# Altium PCB PCB1.PcbDoc (part 2 of 2)
Units mm, origin at the board's own origin, x right, y up, seen from the top; angles counter-clockwise.
Board outline 105 x 80 mm, 4 copper layers (Top Layer, IN1, IN2, Bottom Layer), stack 1.52 mm thick; 193 components, 166 nets, 814 pads, 414 vias.
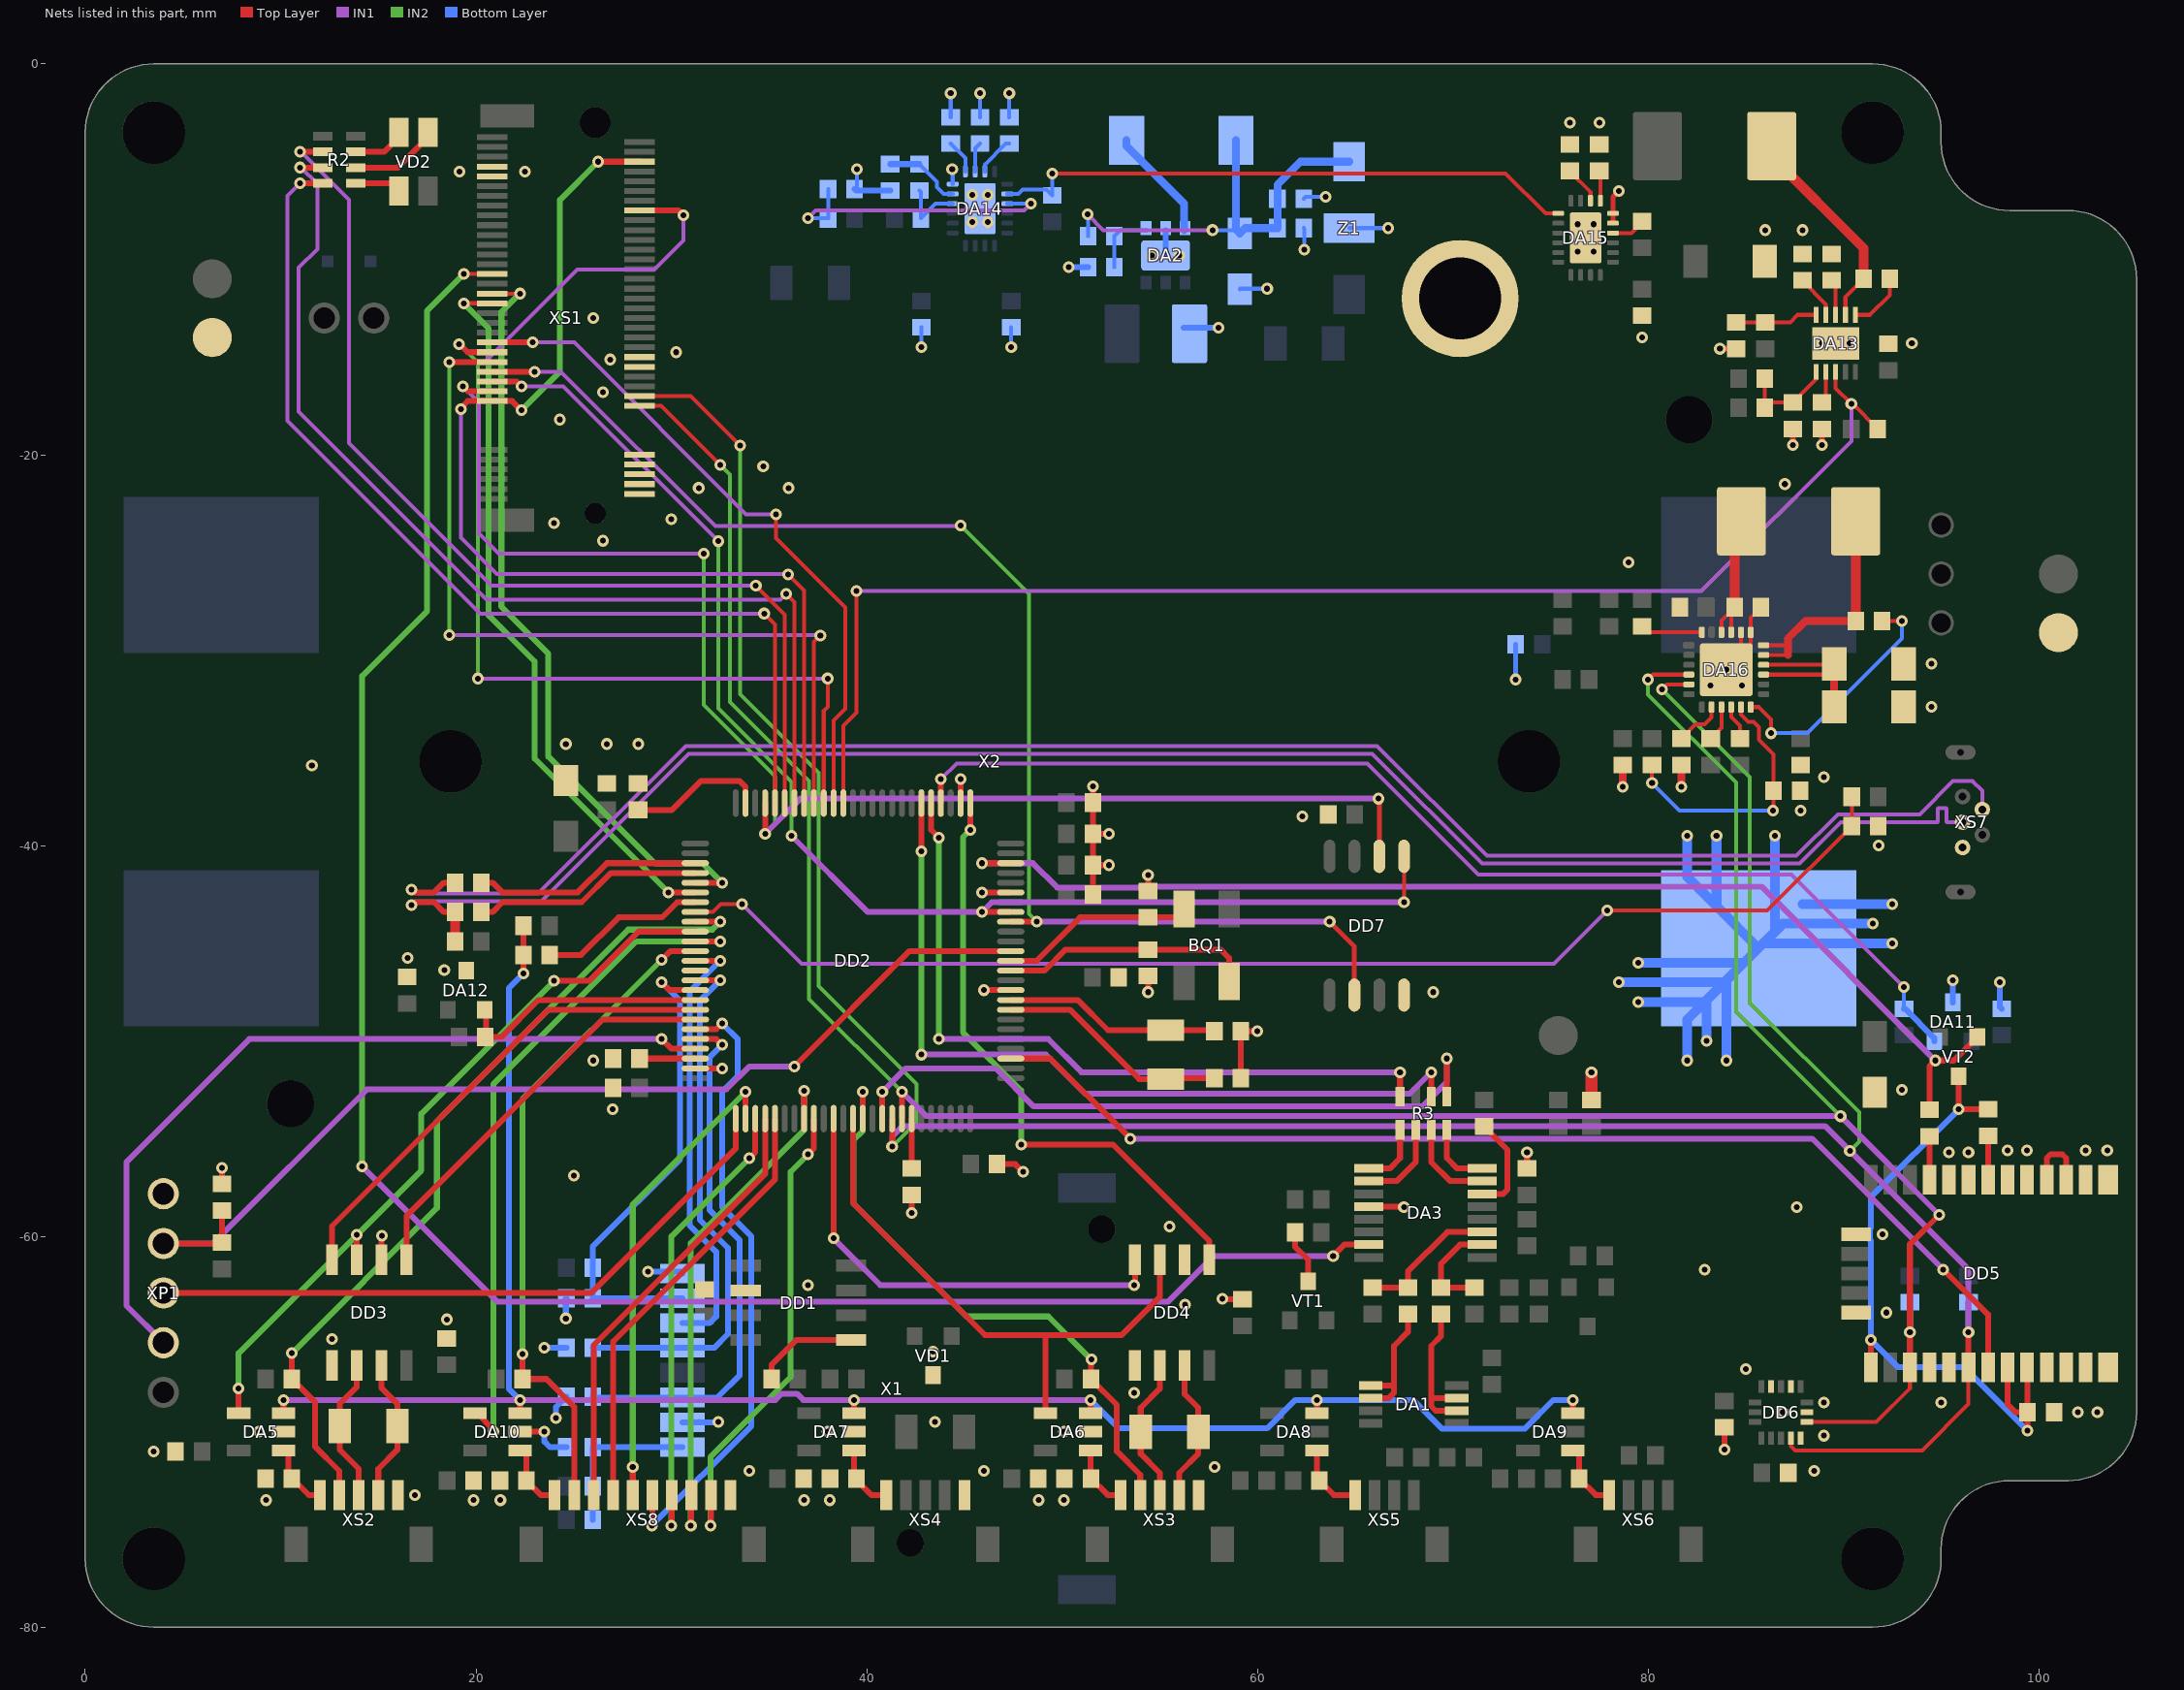
[diagram p4: the nets of this part, all layers, seen from the top]

## Via types
v1: diameter 0.6, hole 0.3, Top Layer to Bottom Layer, tented both sides, 402 vias
v2: diameter 0.6, hole 0.3, Top Layer to Bottom Layer, 12 vias

## Nets (pads, with @x,y where several pads share a name; then routed paths per layer and width w, separated by ;. In a path a pad name is that pad's centre, name@x,y a point inside that pad or via, vN(x,y) a via of type N, cw(c..) or ccw(c..) an arc to the next point about the centre after c; other vN are vias at no path point) (continued)
GND: C1.2 C2.2 C3.2 C4.2 C5.2 C6.2 C7.2 C8.2 C9.2 C10.2 C11.2 C12.2 C13.2 C14.2 C15.2 C16.2 C17.2 C18.2 C19.2 C20.2 C21.2 C22.2 C24.2 C26.2 C27.2 C29.2 C30.2 C31.2 C32.2 C33.2 C34.2 C35.2 C36.2 C40.2 C41.2 C43.2 C44.2 C45.2 C48.2 C49.2 C50.2 C52.1 C53.1 C54.2 C55.2 C56.1 C57.1 C58.1 C59.2 C64.2 C65.2 C66.1 C67.1 C68.2 C69.2 C70.2 C71.2 C72.2 DA2.2 DA3.4 DA5.2 DA6.2 DA7.2 DA10.2 DA11.3 DA12.3 DA13.11 DA14.16 DA14.21 DA15.15 DA15.16 DA15.21 DA16.19 DA16.20 DA16.25 DD1.2 DD2.10 DD2.20 DD2.27 DD2.74 DD3.2 DD3.5 DD4.2 DD4.5 DD5.4 DD5.5 DD5.10 DD5.11 DD5.12 DD5.13 DD5.14 DD5.15 DD5.18 DD5.19 DD5.21 DD5.22 DD5.27 DD5.31 DD6.5 DD6.7 DD6.10 DD6.12 DD7.4 FB2.2 pad.0@70.375,-12 R5.2 R13.1 R36.1 R40.2 R41.1 R42.2 R48.1 R50.1 R51.1 R55.1 R59.2 R61.1 R62.2 R64.1 VD1.3 X1.2 X1.8 X2.1 X6.1 X7.1 XP1.5 XS1.30 XS1.31 XS1.57 XS1.58 XS1.63 XS1.64 XS1.65 XS1.66 XS1.67 XS2.5 XS3.5 XS4.5 XS7.5 XS8.10 Z1.3 | length 134.5
  Top Layer w0.2: v1(84,-31) DA16.25@84.75,-30.25 ; DA16.20@84.75,-29.087 DA16.25@84.75,-30.25 ; C50.2@85.775,-27.8 85.25,-28.325 DA16.19@85.25,-29.087 85.25,-29.75 DA16.25@84.75,-30.25
  Top Layer w0.25: DA15.15@78.2,-8.15 DA15.16@78.2,-7.65 78.2,-6.8 v1(78.5,-6.5)
  Top Layer w0.3: C34.2@7,-57.32 v1(7,-56.5) ; DD3.2@15.17,-61.2 15.17,-59.98 v1(15.175,-59.975) ; DA10.2@22.25,-70 v1(23.5,-70) ; DD2.74@31.225,-51.4 v1(32.6,-51.4) ; v1(42.3,-58.8) R5.2@42.3,-57.875 ; DD2.27@44.8,-37.825 v1(44.8,-36.6) ; v1(45.9,-42.4) 46,-42.4 DD2.20@47.375,-42.4 ; v1(46,-47.4) 46.2,-47.4 DD2.10@47.375,-47.4 ; C7.2@46.675,-56.3 47.6,-56.3 v1(48,-56.7) ; C11.2@51.575,-42.5 C5.2@51.575,-41 ; v1(51.575,-36.975) C10.2@51.575,-37.8 C3.2@51.575,-39.4 ; v1(52.4,-41) C5.2@51.575,-41 ; v1(52.4,-39.4) C3.2@51.575,-39.4 ; v1(54.4,-47.5) C6.2@54.4,-46.675 ; C2.2@54.4,-42.325 v1(54.4,-41.5) ; v1(58.2,-63.2) 58.225,-63.225 C22.2@59.235,-63.225 ; C20.2@59.15,-51.9 C19.2@59.15,-49.5 v1(60,-49.5) ; DA3.4@65.7,-58.475 v1@67.5,-58.475 ; v1@67.4,-58.5 v1(67.5,-58.5) ; C29.2@73.8,-56.525 v1(73.8,-55.7) ; v1(83.675,-14.575) R55.1@84.5,-14.575 ; v1(83.9,-70.9) 83.9,-69.825 83.925,-69.8 C31.2@83.9,-69.775 ; v1(87.4,-19.5) R42.2@87.4,-18.675 ; v1(88.9,-19.5) C45.2@88.9,-18.675 ; C5.2@51.575,-41 C3.2@51.575,-39.4
  Top Layer w0.4: v1(78.7,-37) R51.1@78.7,-35.875 ; v1(81.7,-37) R48.1@81.7,-35.875
  Top Layer w0.6: FB2.2@77.1,-53.025 v1(77.1,-51.6)
  Bottom Layer w0.2: R61.1@39.375,-6.4 39.5,-6.275 v1(39.5,-5.375) ; v1(42.8,-14.5) C69.2@42.8,-13.475 ; R62.2@44.3,-2.725 v1(44.3,-1.5) ; v1(44.375,-5.375) 44.4,-5.4 DA14.16@44.4,-6.15 ; C70.2@45.8,-2.725 v1(45.8,-1.5) ; R64.1@47.3,-2.725 v1(47.3,-1.5) ; v1(47.4,-14.5) C72.2@47.4,-13.475 ; C26.2@59.1,-11.525 59.125,-11.5 v1(60.5,-11.5) ; C27.2@62.375,-8.4 62.4,-8.425 v1(62.4,-9.5) ; C40.2@62.375,-6.9 62.475,-6.8 v1(63.5,-6.8) ; Z1.3@64.7,-8.4 v1(66.7,-8.4)
  Bottom Layer w0.25: v2(73.225,-31.5) R50.1@73.225,-29.7
  Bottom Layer w0.3: v1(23.5,-70) 23.5,-70.5 23.785,-70.785 C18.2@24.625,-70.785 ; v1(23.5,-65.7) 24.62,-65.7 C15.2@24.625,-65.705 ; v1(24.1,-69.3) 24.1,-68.725 C17.2@24.625,-68.2 ; v1(24.6,-64.2) 24.6,-63.19 C14.2@24.625,-63.165 ; v1(28.8,-61.8) 30.47,-61.8 X1.8@30.565,-61.895 ; X1.2@30.565,-69.515 X1.2@31.385,-69.515 ; X1.2@31.4,-69.5 X1.2@31.385,-69.515 ; v1@32.385,-69.515 X1.2@31.385,-69.515 ; R61.1@39.375,-6.4 39.45,-6.475 R40.2@41.2,-6.475 ; v1(50.35,-10.4) R13.1@51.325,-10.4 ; DA2.2@55.3,-9.8 DA2.2@55.3,-8.5 ; C24.2@56.225,-13.5 v1(58,-13.5) ; DA11.3@95.6,-48.025 v1(95.6,-46.9) ; v1(98,-47) 98,-48.25 C35.2@98.1,-48.35
  Bottom Layer w0.5: v1(78.5,-47) X2.1@83.9,-47 ; v1(79.5,-48) X2.1@82.9,-48 ; v1(79.5,-46) X2.1@84.9,-46 ; v1(82,-51) 82,-48.9 X2.1@82.9,-48 ; v1(82,-39.5) 82,-41.6 X2.1@83.5,-43.1 ; v1(83,-50) X2.1@83,-47.9 ; v1(83.5,-39.5) X2.1@83.5,-43.1 ; v1(84,-51) X2.1@84,-46.9 ; v1(86.5,-39.5) X2.1@86.5,-44.4 ; X2.1@87.9,-43 v1(92.5,-43) ; v1(91.5,-44) 86.9,-44 X2.1@86.5,-44.4 ; v1(92.5,-45) X2.1@85.9,-45 ; X2.1@82.9,-48 X2.1@83,-47.9 ; X2.1@83,-47.9 X2.1@83.9,-47 ; X2.1@83.5,-43.1 X2.1@85.65,-45.25 ; X2.1@83.9,-47 X2.1@84,-46.9 ; X2.1@84,-46.9 X2.1@84.9,-46 ; X2.1@84.9,-46 X2.1@85.65,-45.25 ; X2.1@85.65,-45.25 X2.1@85.9,-45 ; X2.1@85.9,-45 X2.1@86.5,-44.4
  other v1: 9.25,-73.5 19.875,-73.5 21.25,-73.5 36.8,-73.5 38.1,-73.5 48.8,-73.5 50.1,-73.5 16.875,-73.25 34,-72 46,-72 88.5,-72 57.8,-71.8 3.5,-71 89,-70.2 8.875,-70 38,-70 50.1,-70 32.4,-69.5 43.5,-69.5 86.9,-69 102,-69 103,-69 89,-68.5 95,-68.5 53.7,-68 85,-66.8 43.4,-65.9 12.625,-65.25 18.5,-64.25 92.2,-63.9 56.3,-63.5 37,-62.5 82.9,-61.7 92,-59.9 55.5,-59.5 87.6,-58.5 25,-56.9 95.4,-55.7 96.4,-55.7 98.4,-55.6 99.4,-55.6 102.4,-55.6 103.5,-55.6 27,-53.5 93,-52.5 26,-51 18.375,-46.375 16.5,-45.75 91.8,-40 87.8,-38.2 89,-36.5 11.6,-35.9 24.6,-34.8 26.7,-34.8 28.3,-34.8 94.5,-32.9 83.2,-31.8 84.8,-31.8 94.5,-30.7 79,-25.5 26.5,-24.4 24,-23.5 30,-23.3 31.4,-21.7 36,-21.7 87,-21.5 34.7,-20.6 24.3,-18.2 26.5,-16.8 26.875,-15.125 30.25,-14.75 88.9,-14.3 90.3,-14.3 93.5,-14.3 79.7,-14 26,-13 54.6,-9.8 56,-9.8 76.4,-9.6 77.2,-9.6 86,-8.5 87.9,-8.5 76.4,-8.2 77.2,-8.2 45.4,-8.1 46.2,-8.1 45.4,-6.7 46.2,-6.7 19.15,-5.5 22.5,-5.5 76,-3 77.5,-3
  other v2: 69,-47.5 62.3,-38.5
GPS_EN: DD2.23 R37.2 VT2.1 | length 59.8
  Top Layer w0.3: v1(45.9,-40.9) DD2.23@47.375,-40.9 ; R37.2@94.4,-53.525 94.4,-51.3 v1(94.7,-51) 95.65,-51 VT2.1@96.85,-49.8
  IN1 w0.3: v1(45.9,-40.9) 48.5,-40.9 49.75,-42.15 54.669,-42.15 54.719,-42.1 85.8,-42.1 v1(94.7,-51)
GPS_INT: DD2.3 DD5.7 | length 58.2
  Top Layer w0.3: DD2.3@47.375,-50.9 49.4,-50.9 v1(53.5,-55) ; v1(95.1,-61.7) 97.4,-64 DD5.7@97.4,-66.7
  IN1 w0.3: v1(53.5,-55) 88.4,-55 v1(95.1,-61.7)
GPS_VCC: C32.1 DD5.1 DD5.8 DD5.9 R26.2 VT2.3 | length 34.6
  Top Layer w0.3: DD5.1@91.4,-66.7 v1(91.4,-65.3) ; VT2.3@95.9,-51.8 v1(95.9,-53.5) R26.2@97.4,-53.5 ; DD5.8@98.4,-66.7 98.4,-68.6 98.8,-69 C32.1@99.425,-69 ; DD5.9@99.4,-66.7 99.425,-66.725 C32.1@99.425,-69 ; v1(99.425,-69.95) C32.1@99.425,-69
  Bottom Layer w0.3: v1(95.9,-53.5) 91.4,-58 91.4,-59.581 91.35,-59.631 91.35,-60.169 91.4,-60.219 v1(91.4,-65.3) 92.8,-66.7 96.175,-66.7 v1(99.425,-69.95)
I2C1_SCL: DA16.5 DD2.92 DD5.6 DD6.4 R33.2 XS1.61 | length 155.1
  Top Layer w0.2: XS1.61@28.375,-17 31,-17 v1(33.525,-19.525) ; v1(80.7,-32) 80.95,-31.75 DA16.5@82.087,-31.75 ; DD6.4@87.3,-70.325 87.3,-70.724 87.526,-70.95 94.025,-70.95 96.4,-68.575 DD5.6@96.4,-66.7
  Top Layer w0.3: v1(41.3,-55.4) DD2.92@41.3,-53.975 ; DD5.6@96.4,-66.7 v1(96.4,-64.9)
  IN1 w0.3: v1(41.3,-55.4) 41.3,-54.9 41.85,-54.35 89.05,-54.35 96.4,-61.7 v1(96.4,-64.9)
  IN2 w0.2: v1(33.525,-19.525) 33.525,-32.25 37.55,-36.275 37.55,-47.2 42.55,-52.2 42.55,-54.15 v1(41.3,-55.4) ; v1(80.7,-32) 85.2,-36.5 85.2,-48.05 90.8,-53.65 90.8,-55.15 v1(90.325,-55.625)
  Bottom Layer w0.3: v1(96.4,-64.9) R33.2@96.4,-63.375
I2C1_SDA: DA16.4 DD2.93 DD5.3 DD6.6 R32.1 XS1.62 | length 144
  Top Layer w0.2: XS1.62@28.375,-17.5 29.475,-17.5 v1(32.5,-20.525) ; v1(80,-31.5) 80.25,-31.25 DA16.4@82.087,-31.25 ; DD6.6@88.125,-69.5 91.675,-69.5 93.4,-67.775 DD5.3@93.4,-66.7
  Top Layer w0.3: DD2.93@41.8,-53.975 v1(41.8,-52.6) ; DD5.3@93.4,-66.7 v1(93.4,-64.9) 93.4,-60.4 v1(94.9,-58.9)
  IN1 w0.3: v1(41.8,-52.6) 43.05,-53.85 v1(89.85,-53.85) v1(94.9,-58.9)
  IN2 w0.2: v1(32.5,-20.525) 33,-21.025 33,-32.65 37.05,-36.7 37.05,-47.85 v1(41.8,-52.6) ; v1(80,-31.5) 80,-32.275 84.5,-36.775 84.5,-48.5 v1(89.85,-53.85)
  Bottom Layer w0.3: v1(93.4,-64.9) R32.1@93.4,-63.375
KEY_FLT: DA5.3 DA6.3 DA7.3 DA8.3 DA9.3 DA10.3 R65.2 R66.1 | length 97.6
  Top Layer w0.3: DA5.3@10.15,-69.05 v1(10.15,-68.375) ; DA10.3@22.25,-69.05 v1(22.25,-68.375) ; R65.2@22.425,-45.6 R66.1@22.425,-44.1 ; v1(22.425,-46.55) R65.2@22.425,-45.6 ; DA7.3@39.35,-69.05 v1(39.35,-68.375) ; DA6.3@51.45,-69.05 v1(51.45,-68.376) ; DA8.3@63.05,-69.05 v1(63.05,-68.375) ; DA9.3@76.15,-69.05 v1@76.15,-68.375
  IN1 w0.3: v1(10.15,-68.375) v1(22.25,-68.375) 35.325,-68.375 35.65,-68.05 36.425,-68.05 36.75,-68.375 v1(39.35,-68.375) ; v1(39.35,-68.375) v1(51.45,-68.376)
  Bottom Layer w0.3: v1(22.25,-68.375) 21.675,-67.8 21.675,-47.3 v1(22.425,-46.55) ; v1(51.45,-68.376) 52.899,-69.825 60.5,-69.825 61.95,-68.375 v1(63.05,-68.375) 67.975,-68.375 69.45,-69.85 73.675,-69.85 75.15,-68.375 v1(76.15,-68.375)
LED_B: DD2.46 R2.8 | length 52
  Top Layer w0.2: v1(34.75,-28.125) 35.3,-28.675 DD2.46@35.3,-37.825
  Top Layer w0.3: v1(11,-6.1) R2.8@12.15,-6.1
  IN1 w0.2: v1(11,-6.1) 10.35,-6.75 10.35,-18.25 20.225,-28.125 v1(34.75,-28.125)
LED_G: DD2.45 R2.6 | length 52.7
  Top Layer w0.2: v1(34.325,-26.7) 35.8,-28.175 DD2.45@35.8,-37.825
  Top Layer w0.3: v1(11,-4.5) R2.6@12.15,-4.5
  IN1 w0.2: v1(11,-4.5) 11.049,-4.5 13.5,-6.951 13.5,-19.4 20.8,-26.7 v1(34.325,-26.7)
LED_R: DD2.44 R2.7 | length 54.4
  Top Layer w0.2: v1(35.875,-27.125) 36.3,-27.55 DD2.44@36.3,-37.825
  Top Layer w0.3: v1(11,-5.3) R2.7@12.15,-5.3
  IN1 w0.2: v1(11,-5.3) 11.049,-5.3 11.875,-6.126 11.875,-9.475 10.925,-10.425 10.925,-17.8 20.55,-27.425 35.575,-27.425 v1(35.875,-27.125)
LORA_BUSY: DD2.41 XS1.12 | length 43.7
  Top Layer w0.2: DD2.41@37.8,-37.825 37.8,-33.1 38,-32.9 v1(38,-31.45)
  Top Layer w0.3: v1(19.125,-14.35) 19.175,-14.35 19.575,-14.75 XS1.12@20.825,-14.75
  IN1 w0.2: v1(20.1,-31.45) v1(38,-31.45)
  IN2 w0.2: v1(19.125,-14.35) 19.175,-14.35 20.1,-15.275 v1@20.1,-31.4
LORA_CS: DD2.43 XS1.7 XS1.37 | length 56.1
  Top Layer w0.2: v1(35.975,-26.125) 36.8,-26.95 DD2.43@36.8,-37.825
  Top Layer w0.3: v1(19.225,-17.675) 19.225,-17.6 19.575,-17.25 XS1.7@20.825,-17.25 21.85,-17.25 v1(22.325,-17.725) ; v1(26.25,-5) XS1.37@28.375,-5
  IN1 w0.2: v1(19.225,-17.675) 19.225,-24.25 21.075,-26.1 35.95,-26.1 v1(35.975,-26.125)
  IN2 w0.3: v1(22.325,-17.725) 24.3,-15.75 24.3,-6.95 v1(26.25,-5)
LORA_DIO1: DD2.40 XS1.13 | length 34.7
  Top Layer w0.2: v1(35.35,-23.05) 35.35,-24.275 38.9,-27.825 38.9,-33 38.3,-33.6 DD2.40@38.3,-37.825
  Top Layer w0.3: XS1.13@20.825,-14.25 v1(22.9,-14.25)
  IN1 w0.2: v1(22.9,-14.25) 25.025,-14.25 33.825,-23.05 v1(35.35,-23.05)
LORA_NRST: DD2.42 XS1.11 XS1.42 | length 62.1
  Top Layer w0.2: DD2.42@37.3,-37.825 37.3,-29.575 v1(37.625,-29.25)
  Top Layer w0.3: v1(18.625,-15.25) XS1.11@20.825,-15.25 ; XS1.42@28.375,-7.5 30.375,-7.5 v1(30.625,-7.75)
  IN1 w0.2: v1(18.625,-29.225) 37.6,-29.225 v1(37.625,-29.25) ; v1(18.625,-15.25) 20.45,-15.25 25.175,-10.525 29.125,-10.525 30.625,-9.025 v1(30.625,-7.75)
  IN2 w0.2: v1(18.625,-29.225) v1(18.625,-15.25)
M2_A: DA3.7 XS1.20 | length 106.2
  Top Layer w0.2: v1(19.375,-10.75) XS1.20@20.825,-10.75
  Top Layer w0.3: v1(63.875,-61) 64.45,-60.425 DA3.7@65.7,-60.425
  IN1 w0.3: v1(14.175,-56.425) 21.1,-63.35 ; 22.375,-63.35 21.1,-63.35 ; v1(63.875,-61) 57.775,-61 55.425,-63.35 21.1,-63.35
  IN2 w0.3: v1(14.175,-56.425) 14.175,-31.325 17.5,-28 17.5,-12.625 v1(19.375,-10.75)
NetBQ2_1: BQ2.1 C19.1 DD2.9 | length 11.1
  Top Layer w0.3: DD2.9@47.375,-47.9 50.8,-47.9 52.35,-49.45 BQ2.1@55.3,-49.45 57.75,-49.45 C19.1@57.8,-49.5
NetBQ2_2: BQ2.2 C20.1 DD2.8 | length 11.9
  Top Layer w0.3: DD2.8@47.375,-48.4 50.4,-48.4 53.95,-51.95 BQ2.2@55.3,-51.95 55.35,-51.9 C20.1@57.8,-51.9
NetC13_1: C13.1 DD2.73 | length 2.9
  Top Layer w0.3: C13.1@28.375,-50.9 DD2.73@31.225,-50.9
NetC16_1: C16.1 DD2.49 | length 7.1
  Top Layer w0.3: C16.1@28.3,-38.175 30.025,-38.175 31.5,-36.7 33.5,-36.7 33.8,-37 DD2.49@33.8,-37.825
NetC26_1: C26.1 C27.1 C40.1 L1.1 R14.2 Z1.1 | length 22.4
  IN1 w0.2: v1(51.3,-7.7) 52.1,-8.5 v1(57.7,-8.5)
  Bottom Layer w0.2: v1(51.3,-7.7) 51.325,-7.725 R14.2@51.325,-8.8 ; v1(57.7,-8.5) 58.925,-8.5 C26.1@59.1,-8.675
  Bottom Layer w0.4: L1.1@58.9,-3.9 58.9,-8.475 C26.1@58.925,-8.5 ; C26.1@59.1,-8.675 59.375,-8.4 C27.1@61.025,-8.4 C40.1@61.025,-6.9 61.025,-6.175 62.2,-5 Z1.1@64.7,-5
NetC44_1: C44.1 DA13.3 | length 1.8
  Top Layer w0.2: C44.1@89.4,-11.075 89.6,-11.275 DA13.3@89.6,-12.84
NetC45_1: C45.1 DA13.7 | length 1.6
  Top Layer w0.2: C45.1@88.9,-17.325 89.1,-17.125 DA13.7@89.1,-15.76
NetC46_1: C46.1 DA13.1 | length 3
  Top Layer w0.2: DA13.1@90.6,-12.84 91.36,-12.84 92.375,-11.825 C46.1@92.375,-11
NetC46_2: C46.2 DA13.2 L2.2 | length 11
  Top Layer w0.2: DA13.2@90.1,-12.84 90.1,-11.925 C46.2@91.025,-11
  Top Layer w0.5: L2.2@86.325,-4.2 86.325,-4.725 91.025,-9.425 C46.2@91.025,-11
NetC47_2: C47.2 DA13.6 R42.1 R43.1 | length 5
  Top Layer w0.2: R43.1@85.975,-17.6 R43.1@85.975,-17.35 ; C47.2@85.975,-16.1 R43.1@85.975,-17.35 ; DA13.6@88.6,-15.76 88.6,-16.125 R42.1@87.4,-17.325 86,-17.325 R43.1@85.975,-17.35
NetC50_1: C50.1 DA16.21 DA16.22 L3.2 | length 7.2
  Top Layer w0.2: DA16.22@83.75,-29.087 83.75,-28.475 C50.1@84.25,-27.975 ; DA16.21@84.25,-29.087 C50.1@84.25,-27.975 ; C50.1@84.425,-27.8 C50.1@84.25,-27.975
  Top Layer w0.5: C50.1@84.425,-27.8 84.425,-23.75 L3.2@84.775,-23.4
NetC51_1: C51.1 DA16.12 | length 12.6
  Top Layer w0.2: DA16.12@85.25,-32.912 85.663,-32.912 86.3,-33.55 v1(86.3,-34.25) ; C51.1@91.975,-28.5 v1(93,-28.5)
  Bottom Layer w0.2: v1(86.3,-34.25) 88.15,-34.25 93,-29.4 v1(93,-28.5)
NetC51_2: C51.2 DA16.17 DA16.18 L3.1 | length 12.3
  Top Layer w0.2: DA16.17@85.913,-30.25 87.15,-30.25 ; DA16.18@85.913,-29.75 87.15,-29.75
  Top Layer w0.4: 87.15,-30.25 87.15,-29.75 87.15,-29.4 88.05,-28.5 C51.2@90.625,-28.5
  Top Layer w0.5: C51.2@90.625,-28.5 L3.1@90.625,-23.4
NetC54_1: C54.1 C55.1 DA16.15 DA16.16 | length 9.5
  Top Layer w0.2: DA16.15@85.913,-31.25 89.275,-31.25 C54.1@89.525,-31 ; DA16.16@85.913,-30.75 89.475,-30.75 C54.1@89.525,-30.7
  Top Layer w0.4: C55.1@89.525,-32.9 89.525,-31 C54.1@89.525,-30.7
NetC59_1: C59.1 DA5.1 XS2.1 | length 3.4
  Top Layer w0.3: DA5.1@10.15,-70.95 10.4,-71.2 10.4,-72.2 11.438,-73.238 XS2.1@12,-73.238
NetC60_1: C60.1 DA8.1 XS5.1 | length 3.7
  Top Layer w0.3: DA8.1@63.05,-70.95 63.05,-72.375 63.913,-73.238 XS5.1@65,-73.238
NetC61_1: C61.1 DA9.1 XS6.1 | length 3.7
  Top Layer w0.3: DA9.1@75.95,-70.95 DA9.1@76,-71 ; DA9.1@76.15,-70.95 76.475,-70.95 C61.1@76.475,-72.4 77.313,-73.238 XS6.1@78,-73.238
NetC64_1: C64.1 DA6.1 XS3.1 | length 3.3
  Top Layer w0.3: DA6.1@51.45,-70.95 51.45,-72.35 52.338,-73.238 XS3.1@53,-73.238
NetC65_1: C65.1 DA7.1 XS4.1 | length 3.4
  Top Layer w0.3: DA7.1@39.35,-70.95 39.35,-72.35 40.238,-73.238 XS4.1@41,-73.238
NetC67_2: C67.2 DA10.1 XS8.1 | length 3.6
  Top Layer w0.3: DA10.1@22.25,-70.95 22.575,-70.95 C67.2@22.575,-72.5 23.313,-73.238 XS8.1@24.025,-73.238
NetC70_1: C70.1 DA14.18 | length 1.5
  Bottom Layer w0.2: DA14.18@45.55,-5.5 45.55,-4.325 C70.1@45.8,-4.075
NetC71_1: C71.1 DA15.18 | length 2
  Top Layer w0.2: C71.1@76,-5.475 76,-5.5 77.05,-6.55 DA15.18@77.05,-7
NetDA1_1: DA1.1 DA1.2 R9.1 | length 6.8
  Top Layer w0.3: DA1.2@65.801,-68.275 66.725,-68.275 67,-68 67,-67.6 ; DA1.1@65.801,-67.625 66.975,-67.625 67,-67.6 ; R9.1@67.701,-63.975 67.701,-64.899 67,-65.6 67,-67.6
NetDA1_6: DA1.6 DA1.7 R10.1 | length 7.6
  Top Layer w0.3: R10.1@69.401,-63.975 69.401,-65.099 68.9,-65.6 68.9,-68.275 ; DA1.6@70.201,-68.925 69.125,-68.925 68.9,-68.7 68.9,-68.275 ; DA1.7@70.201,-68.275 68.9,-68.275
NetDA2_1: DA2.1 R13.2 R14.1 | length 3.4
  Bottom Layer w0.2: R13.2@52.675,-10.4 R14.1@52.675,-8.8 52.975,-8.5 DA2.1@54.35,-8.5
NetDA2_3: DA2.3 L1.2 | length 5.8
  Bottom Layer w0.4: L1.2@53.3,-3.9 53.3,-4.2 56.25,-7.15 DA2.3@56.25,-8.5
NetDA3_1: DA3.1 R3.1 | length 3.3
  Top Layer w0.3: DA3.1@65.7,-56.525 66.775,-56.525 67.3,-56 R3.1@67.3,-54.55
NetDA3_2: DA3.2 R3.2 | length 4.5
  Top Layer w0.3: DA3.2@65.7,-57.175 67.125,-57.175 68.1,-56.2 R3.2@68.1,-54.55
NetDA3_10: DA3.10 R10.2 R11.1 | length 5.4
  Top Layer w0.3: R11.1@71.101,-62.625 R10.2@69.401,-62.625 69.401,-61.399 70.375,-60.425 DA3.10@71.5,-60.425
NetDA3_11: DA3.11 R9.2 R12.1 | length 7.3
  Top Layer w0.3: R12.1@65.901,-62.625 R9.2@67.701,-62.625 67.701,-61.799 69.725,-59.775 DA3.11@71.5,-59.775
NetDA3_14: DA3.14 R15.1 | length 5.1
  Top Layer w0.3: DA3.14@71.5,-57.825 72.575,-57.825 72.8,-57.6 72.8,-55.575 R15.1@71.6,-54.375
NetDA3_15: DA3.15 R3.3 | length 4.7
  Top Layer w0.3: R3.3@68.9,-54.55 68.9,-56.2 69.875,-57.175 DA3.15@71.5,-57.175
NetDA3_16: DA3.16 R3.4 | length 3.5
  Top Layer w0.3: R3.4@69.7,-54.55 69.7,-56 70.225,-56.525 DA3.16@71.5,-56.525